# Allegro board 8880F5-0823_9.brd (continued)
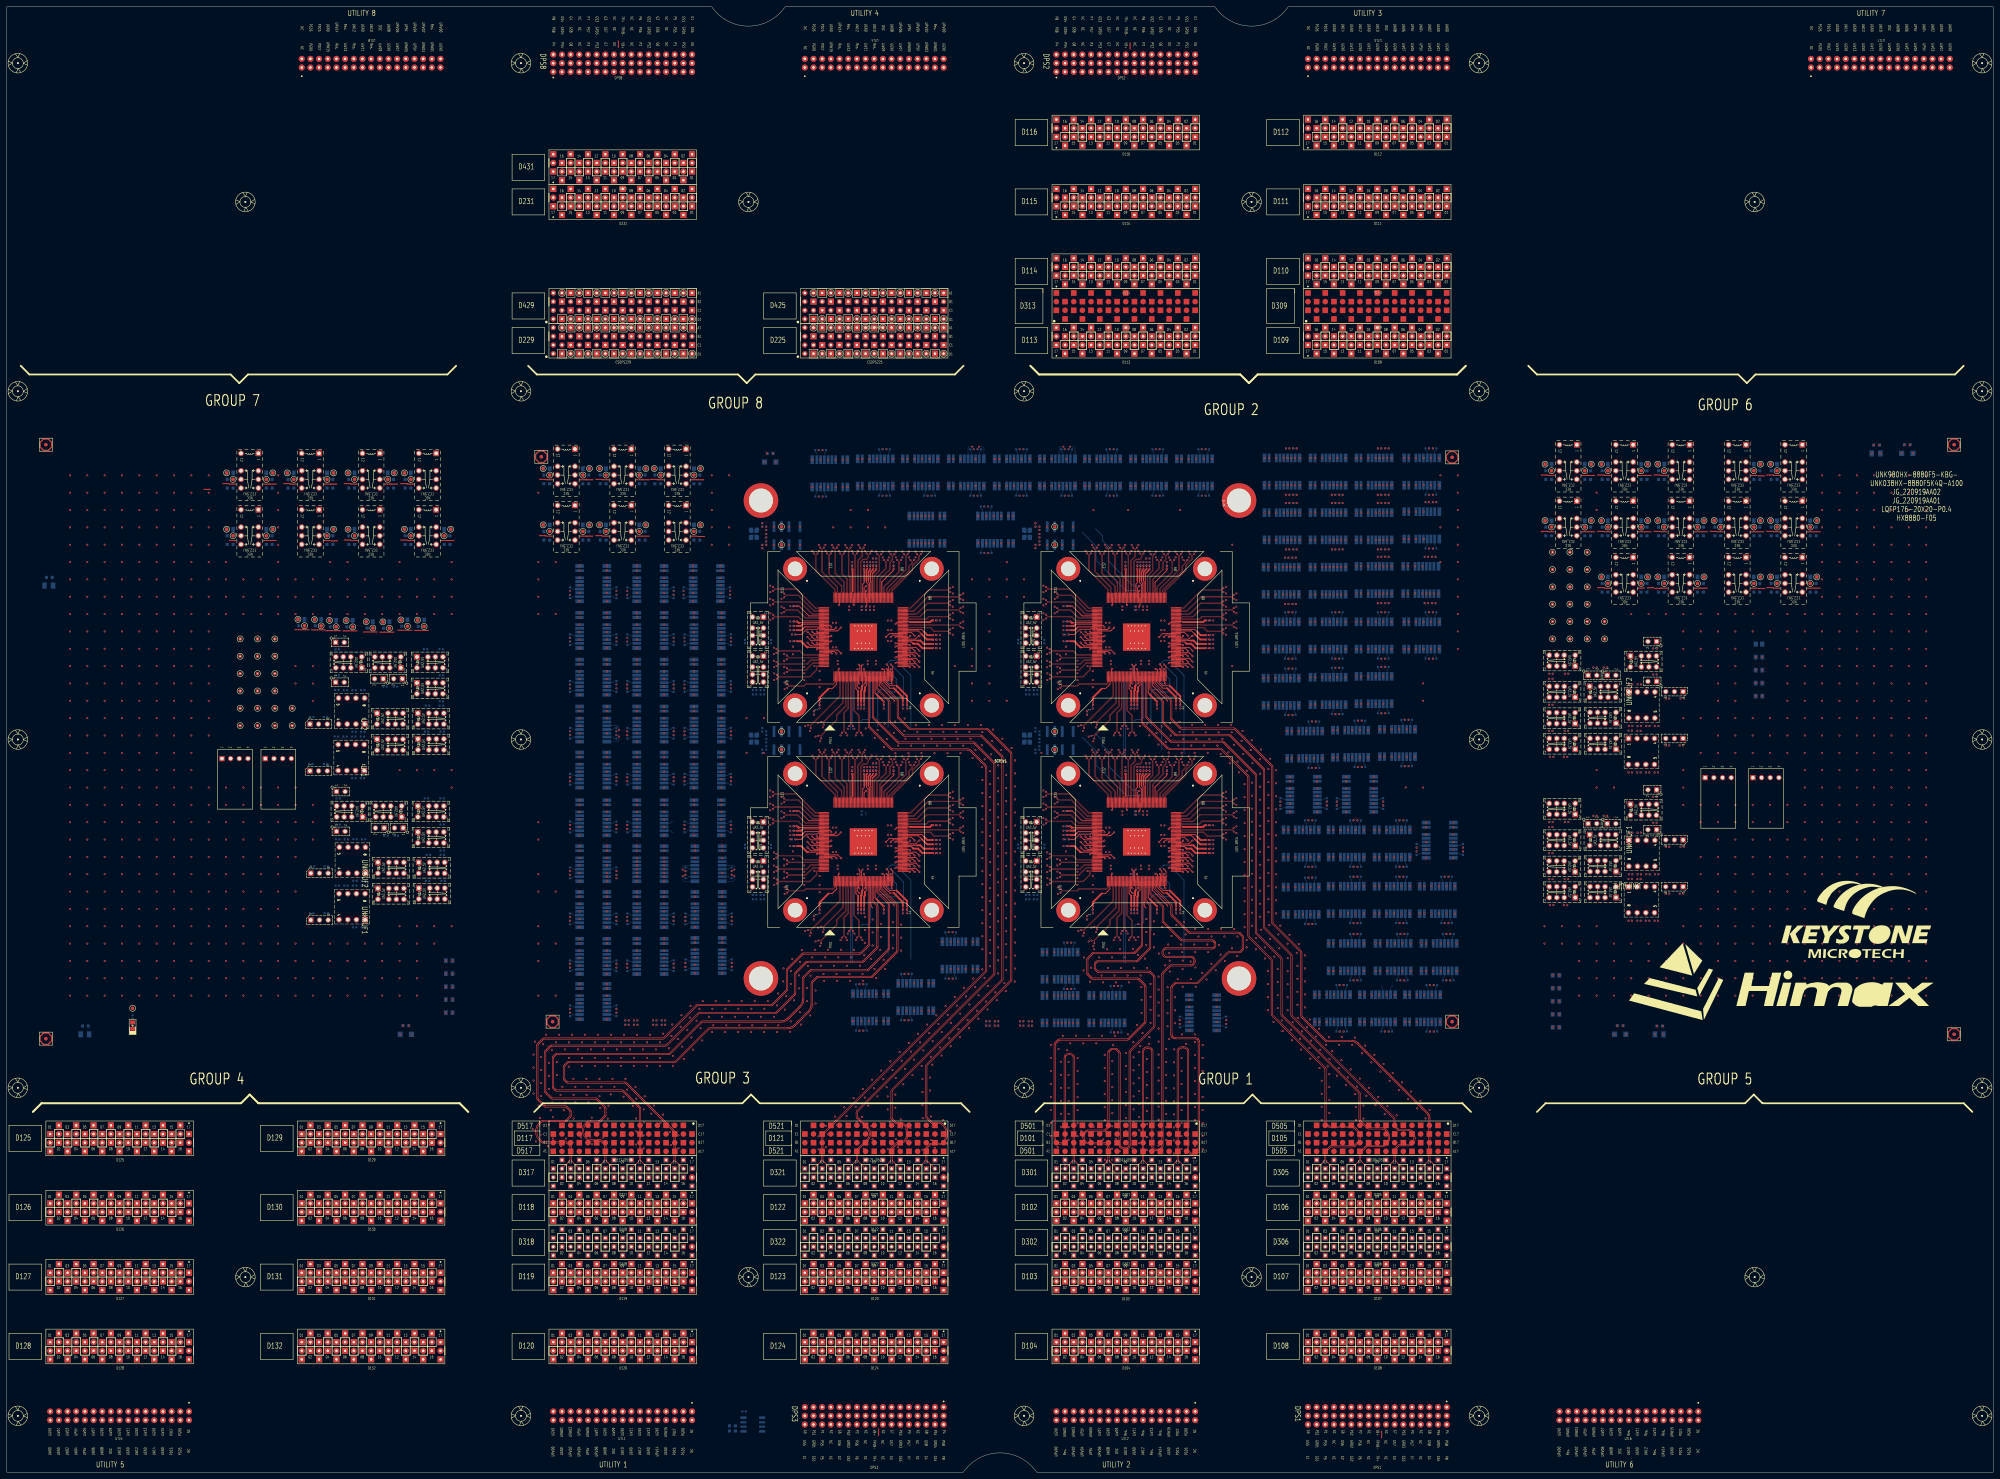
[diagram p0: board, top side]
## Routing (per net, layer and track width the routed paths; a pad name or vN(x,y) marks a point on that pad's centre or on a via; arc(x,y) is an arc through that point) (continued)
  L28_SIGNAL w0.071: v2(195.26,243.31) 195.26,243.71 195.19,243.78 193.55,243.78 183.87,253.46 182.48,253.46 181.79,252.77 181.79,251.47 183.79,249.47 184.74,249.47 185.86,248.35 185.86,245.73 189.4,242.19 215.45,242.19 216.08,241.55 221.93,241.55 224.39,239.09 226.31,239.09 226.88,238.52 226.88,237.61 227.35,237.15 229.15,237.15 230.51,235.79 230.51,231.07 229.7,230.26 228.98,230.26 v1(228.51,229.79)
D12510: length 413.5
  TOP w0.086: SITE1.174 237.68,236.83 237.6,236.91 236.1,236.91 234.04,234.85 228.85,234.85 v1(228.4,234.39)
  L03_SIGNAL w0.071: v2(181.67,243.31) 182.15,243.78 182.42,243.78 182.74,244.1 182.74,246.33 180.03,249.04 79.89,249.04 29.32,198.48 29.32,120.28 36.74,112.86 36.74,100.24 D125.10
  L28_SIGNAL w0.071: v2(181.67,243.31) 182.15,243.78 182.69,243.78 183.18,244.28 183.18,247.83 178.03,252.98 175.03,252.98 174.55,252.5 174.55,249.95 175.17,249.32 178.27,249.32 180.47,247.12 180.47,242.79 179.9,242.22 175.71,242.22 175.12,242.8 175.12,244.7 174.56,245.25 173.86,245.25 173.36,244.75 173.36,242.02 172.77,241.43 172.08,241.43 171.56,241.95 171.56,245.97 171,246.52 170.14,246.52 169.55,245.93 169.55,241.04 170.47,240.13 222.01,240.13 223.86,238.27 225.38,238.27 225.95,237.7 225.95,235.84 226.93,234.87 227.93,234.87 v1(228.4,234.39)
D12511: length 413.5
  TOP w0.086: SITE1.1 242.23,231.48 242.31,231.4 242.31,231.28 242.03,231 233.93,231 233.42,230.49 228.95,230.49 v1(228.51,230.93)
  L03_SIGNAL w0.071: v2(195.26,244.46) 194.79,243.98 193.77,243.98 192.69,245.06 189.98,245.06 188.91,243.98 185.41,243.98 178.9,237.48 83.79,237.48 45.13,198.81 45.13,128.93 59.07,114.99 59.07,95.39 52.9,89.22 37.16,89.22 35.41,90.96 35.41,94.72 35.79,95.09 36.67,95.09 D125.11
  L28_SIGNAL w0.071: v2(195.26,244.46) 195.26,244.05 195.19,243.98 193.63,243.98 183.96,253.66 182.4,253.66 181.6,252.86 181.6,251.39 183.71,249.27 184.66,249.27 185.66,248.27 185.66,245.65 189.32,241.99 215.36,241.99 216,241.36 221.85,241.36 224.31,238.89 226.22,238.89 226.68,238.43 226.68,237.53 227.26,236.95 229.07,236.95 230.31,235.71 230.31,231.16 229.62,230.46 228.98,230.46 v1(228.51,230.93)
D12512: length 413.5
  TOP w0.086: v1(228.4,235.54) 228.85,235.08 233.94,235.08 236,237.15 237.6,237.15 237.68,237.23 SITE1.173
  L03_SIGNAL w0.071: D125.12 39.51,100.19 37.4,100.19 36.94,100.65 36.94,112.94 29.52,120.36 29.52,198.39 79.97,248.84 179.95,248.84 182.54,246.25 182.54,244.18 182.34,243.98 182.15,243.98 v2(181.67,244.46)
  L28_SIGNAL w0.071: v2(181.67,244.46) 182.15,243.98 182.61,243.98 182.98,244.36 182.98,247.75 177.95,252.78 175.12,252.78 174.75,252.42 174.75,250.03 175.26,249.52 178.35,249.52 180.67,247.2 180.67,242.71 179.98,242.02 175.63,242.02 174.92,242.72 174.92,244.61 174.48,245.06 173.94,245.06 173.56,244.67 173.56,241.93 172.85,241.23 171.99,241.23 171.36,241.86 171.36,245.88 170.92,246.32 170.22,246.32 169.75,245.85 169.75,241.13 170.55,240.32 222.09,240.32 223.95,238.47 225.46,238.47 226.14,237.79 226.14,235.93 227.01,235.06 227.93,235.06 v1(228.4,235.54)
D12513: length 413.5
  TOP w0.086: SITE1.172 237.68,237.63 237.6,237.71 235.46,237.71 234.38,236.63 225.85,236.63 v1(225.39,236.18)
  L03_SIGNAL w0.071: D125.13 44.61,95.09 44.61,92.75 47.01,90.35 51.92,90.35 56.06,94.5 56.06,112.18 39.76,128.48 39.76,198.4 82.4,241.03 166.18,241.03 168.94,243.78 171.11,243.78 171.9,244.58 176.12,244.58 176.91,243.78 178.03,243.78 v2(178.5,243.31)
  L28_SIGNAL w0.071: v2(178.5,243.31) 178.97,243.78 179.34,243.78 179.86,244.31 179.86,245.46 178.03,247.29 166.73,247.29 164.66,249.36 154.47,249.36 153.74,248.63 153.74,246.18 154.64,245.28 167.42,245.28 168.64,244.06 168.64,240.48 170.26,238.86 212.66,238.86 213.7,237.82 222.67,237.82 223.85,236.65 224.92,236.65 v1(225.39,236.18)
D12514: length 413.5
  TOP w0.086: SITE1.176 237.68,236.03 237.6,236.11 237.48,236.11 237.25,235.88 237.25,234.98 235.19,232.92 225.91,232.92 v1(225.46,232.46)
  L03_SIGNAL w0.071: D125.14 47.63,100.97 47.63,111.82 34.51,124.94 34.51,198.84 82.1,246.44 164.96,246.44 166.22,245.17 166.22,244.13 165.88,243.78 165.38,243.78 v2(164.91,243.31)
  L28_SIGNAL w0.071: v2(164.91,243.31) 165.38,243.78 165.72,243.78 166.34,243.16 166.34,242.1 165.85,241.61 134.1,241.61 132.88,240.39 132.88,237.26 134.33,235.81 211.14,235.81 212.23,236.89 222.31,236.89 222.79,236.41 222.79,234.45 224.31,232.94 224.98,232.94 v1(225.46,232.46)
D12515: length 413.5
  TOP w0.086: SITE1.171 237.68,238.03 237.6,237.95 235.37,237.95 234.29,236.87 225.85,236.87 v1(225.39,237.32)
  L03_SIGNAL w0.071: v2(178.5,244.46) 178.03,243.98 176.99,243.98 176.2,244.77 171.82,244.77 171.03,243.98 168.86,243.98 166.1,241.22 82.31,241.22 39.57,198.48 39.57,128.39 55.86,112.1 55.86,94.58 51.84,90.55 47.09,90.55 44.81,92.83 44.81,94.43 45.43,95.05 46.79,95.05 D125.15
  L28_SIGNAL w0.071: v2(178.5,244.46) 178.97,243.98 179.25,243.98 179.66,244.39 179.66,245.38 177.95,247.09 166.64,247.09 164.57,249.16 154.55,249.16 153.93,248.55 153.93,246.27 154.72,245.48 167.51,245.48 168.84,244.14 168.84,240.56 170.34,239.06 212.74,239.06 213.78,238.02 222.76,238.02 223.93,236.85 224.92,236.85 v1(225.39,237.32)
D12516: length 413.5
  TOP w0.086: v1(225.46,233.61) 225.91,233.16 235.09,233.16 237.01,235.08 237.01,235.98 237.38,236.35 237.6,236.35 237.68,236.43 SITE1.175
  L03_SIGNAL w0.071: v2(164.91,244.46) 165.38,243.98 165.8,243.98 166.02,244.21 166.02,245.09 164.87,246.24 82.18,246.24 34.71,198.76 34.71,125.02 47.83,111.9 47.83,101.07 48.78,100.11 49.75,100.11 D125.16
  L28_SIGNAL w0.071: v2(164.91,244.46) 165.38,243.98 165.8,243.98 166.54,243.24 166.54,242.02 165.94,241.42 134.18,241.42 133.07,240.31 133.07,237.34 134.41,236 211.06,236 212.15,237.09 222.4,237.09 222.99,236.49 222.99,234.53 224.39,233.14 224.98,233.14 v1(225.46,233.61)
D12609: length 457
  TOP w0.086: v1(250.13,216.61) 249.68,217.05 249.68,221.65 248.15,223.18 248.15,231.4 248.23,231.48 SITE1.16
  L03_SIGNAL w0.071: D126.09 34.96,74.26 34.96,70.54 36.99,68.51 58.22,68.51 72.03,82.33 72.03,190.22 87.2,205.39 87.2,219.77 87.91,220.47 129.39,220.47 130.95,222.03 176,222.03 180.1,226.13 180.1,229.52 180.65,230.07 181.2,230.07 v1(181.67,229.6)
  L28_SIGNAL w0.071: v1(250.13,216.61) 249.66,217.08 249.66,218.32 248.27,219.71 243.1,219.71 240.73,217.34 236.09,217.34 235.33,216.58 214.08,216.58 212.34,214.84 175.19,214.84 173.23,216.8 173.23,222.78 175.87,225.41 198.14,225.41 199.44,226.71 199.44,232.16 198.27,233.32 181.31,233.32 180.05,232.05 180.05,230.63 180.6,230.07 181.2,230.07 v1(181.67,229.6)
D12610: length 457
  TOP w0.086: SITE1.14 247.43,231.48 247.35,231.4 247.35,218.99 v1(247.8,218.55)
  L03_SIGNAL w0.071: v1(195.26,229.6) 195.73,230.07 196.45,230.07 196.82,230.44 196.82,232.1 194.9,234.02 85.65,234.02 49.74,198.11 49.74,128.87 61.25,117.36 61.25,94.47 54.12,87.35 39.26,87.35 37.28,85.37 37.28,80.46 D126.10
  L28_SIGNAL w0.071: v1(195.26,229.6) 195.73,230.07 196.1,230.07 196.73,229.44 196.73,228.04 195.17,226.48 166.95,226.48 165.41,224.94 165.41,214.73 167.32,212.82 212.57,212.82 214.68,214.93 235.45,214.93 236.83,216.3 242.46,216.3 243.55,217.39 245.62,217.39 246.01,217.01 246.85,217.01 247.33,217.48 247.33,218.07 v1(247.8,218.55)
D12611: length 457
  TOP w0.086: SITE1.15 247.83,231.48 247.91,231.4 247.91,223.08 249.45,221.55 249.45,217.06 v1(248.99,216.61)
  L03_SIGNAL w0.071: v1(181.67,230.74) 181.2,230.27 180.57,230.27 179.9,229.6 179.9,226.21 175.92,222.23 130.87,222.23 129.31,220.67 87.82,220.67 87.01,219.85 87.01,205.47 71.84,190.3 71.84,82.41 58.13,68.71 37.07,68.71 35.16,70.62 35.16,74.75 35.38,74.97 36.87,74.97 D126.11
  L28_SIGNAL w0.071: v1(181.67,230.74) 181.2,230.27 180.69,230.27 180.25,230.71 180.25,231.97 181.4,233.12 198.19,233.12 199.24,232.07 199.24,226.8 198.05,225.61 175.79,225.61 173.04,222.86 173.04,216.72 175.11,214.65 212.43,214.65 214.16,216.38 235.42,216.38 236.17,217.14 240.81,217.14 243.18,219.51 248.19,219.51 249.46,218.24 249.46,217.08 v1(248.99,216.61)
D12612: length 457
  TOP w0.086: v1(246.65,218.55) 247.11,219 247.11,231.4 247.03,231.48 SITE1.13
  L03_SIGNAL w0.071: D126.12 39.6,79.78 38.35,79.78 37.48,80.65 37.48,85.29 39.34,87.15 54.21,87.15 61.45,94.39 61.45,117.44 49.94,128.95 49.94,198.03 85.73,233.83 194.82,233.83 196.62,232.02 196.62,230.52 196.37,230.27 195.73,230.27 v1(195.26,230.74)
  L28_SIGNAL w0.071: v1(195.26,230.74) 195.73,230.27 196.18,230.27 196.93,229.52 196.93,227.95 195.25,226.28 167.03,226.28 165.61,224.86 165.61,214.81 167.41,213.02 212.49,213.02 214.6,215.13 235.37,215.13 236.74,216.5 242.38,216.5 243.47,217.59 245.71,217.59 246.09,217.2 246.77,217.2 247.13,217.56 247.13,218.07 v1(246.65,218.55)
D12613: length 457
  TOP w0.086: SITE1.10 245.83,231.48 245.75,231.4 245.75,224.32 243.1,221.66 243.1,220.24 238.42,215.56 v1(238.42,214.92)
  L03_SIGNAL w0.071: D126.13 45.23,74.15 45.23,71.86 47.21,69.88 52.15,69.88 66.84,84.58 66.84,190.42 85.18,208.76 85.18,221.34 87.45,223.61 105.31,223.61 108.02,226.32 165.38,226.32 169.14,230.07 173.48,230.07 174.33,230.92 176.17,230.92 177.02,230.07 178.03,230.07 v2(178.5,229.6)
  L28_SIGNAL w0.071: v2(178.5,229.6) 178.97,230.07 179.34,230.07 179.72,229.69 179.72,229.07 179.3,228.65 141.59,228.65 138.15,225.21 138.15,214.82 142.65,210.31 157.67,210.31 159.06,211.71 214.09,211.71 215.64,213.25 236.09,213.25 237.75,214.92 v1(238.42,214.92)
D12614: length 457
  TOP w0.086: SITE1.12 246.63,231.48 246.55,231.4 246.55,223.72 245.23,222.4 245.23,217.05 v1(245.68,216.6)
  L03_SIGNAL w0.071: D126.14 46.76,79.78 46.76,82.89 48.34,84.47 54.19,84.47 64.18,94.46 64.18,119.21 54.81,128.57 54.81,189.94 73.92,209.06 73.92,216.01 87.29,229.38 128.63,229.38 131.47,232.22 165.93,232.22 166.4,231.75 166.4,230.42 166.05,230.07 165.38,230.07 v2(164.91,229.6)
  L28_SIGNAL w0.071: v1(245.68,216.6) 245.21,216.12 245.21,214.8 242.86,212.46 217.06,212.46 214.63,210.03 159.56,210.03 158.83,209.3 136.36,209.3 131.77,213.89 131.77,230.11 135.49,233.83 165.81,233.83 166.65,233 166.65,230.86 165.85,230.07 165.38,230.07 v2(164.91,229.6)
D12615: length 457
  TOP w0.086: v1(237.61,215.73) 238.25,215.73 242.86,220.34 242.86,221.76 245.51,224.41 245.51,231.4 245.43,231.48 SITE1.9
  L03_SIGNAL w0.071: D126.15 47.2,75.14 46.56,75.14 45.43,74.01 45.43,71.94 47.29,70.08 52.06,70.08 66.65,84.66 66.65,190.5 84.98,208.84 84.98,221.42 87.37,223.81 105.23,223.81 107.94,226.51 165.3,226.51 169.05,230.27 173.4,230.27 174.25,231.12 176.25,231.12 177.1,230.27 178.03,230.27 v2(178.5,230.74)
  L28_SIGNAL w0.071: v2(178.5,230.74) 178.97,230.27 179.42,230.27 179.92,229.77 179.92,228.99 179.38,228.45 141.67,228.45 138.35,225.13 138.35,214.9 142.73,210.51 157.58,210.51 158.98,211.9 214.01,211.9 215.56,213.45 236,213.45 237.61,215.06 v1(237.61,215.73)
D12616: length 457
  TOP w0.086: SITE1.11 246.23,231.48 246.31,231.4 246.31,223.82 244.99,222.5 244.99,217.05 v1(244.54,216.6)
  L03_SIGNAL w0.071: D126.16 49.71,79.83 47.2,79.83 46.95,80.08 46.95,82.8 48.42,84.27 54.27,84.27 64.37,94.37 64.37,119.29 55.01,128.66 55.01,189.86 74.12,208.98 74.12,215.93 87.37,229.18 128.71,229.18 131.55,232.02 165.85,232.02 166.2,231.67 166.2,230.5 165.97,230.27 165.38,230.27 v2(164.91,230.74)
  L28_SIGNAL w0.071: v2(164.91,230.74) 165.38,230.27 165.77,230.27 166.45,230.94 166.45,232.91 165.73,233.63 135.57,233.63 131.97,230.03 131.97,213.97 136.44,209.5 158.74,209.5 159.48,210.23 214.55,210.23 216.97,212.65 242.78,212.65 245.01,214.89 245.01,216.12 v1(244.54,216.6)
D12701: length 686.8
  TOP w0.086: SITE1.102 254.23,257.78 254.15,257.86 254.15,262.58 255.64,264.07 255.64,268.51 v1(256.07,268.93)
  L05_SIGNAL w0.071: v2(322.98,286.07) 323.45,286.54 323.45,287.71 320.36,290.79 298.59,290.79 293.69,295.7 293.69,300.61 282.35,311.96 155.76,311.96 151.76,307.95 58.54,307.95 25.19,274.61 25.19,113.85 11.77,100.43 11.77,51.15 12.51,50.42 15.18,50.42 16.11,51.35 16.11,54.5 15.83,54.78 13.8,54.78 D127.01
  L32_SIGNAL w0.071: v1(256.07,268.93) 255.6,269.4 255.6,282.31 261.38,288.1 261.38,290.34 264.12,293.08 278.23,293.08 280.61,290.7 280.61,285.97 282.84,283.74 286.69,283.74 298.12,295.17 316.04,295.17 323.45,287.75 323.45,286.54 v2(322.98,286.07)
D12702: length 665.5
  TOP w0.086: v1(267.64,268.93) 267.21,268.5 267.21,267.41 265.32,265.52 265.32,264.13 259.35,258.16 259.35,257.86 259.43,257.78 SITE1.89
  L05_SIGNAL w0.071: D127.02 16.44,59.62 17.51,59.62 17.77,59.89 17.77,66.96 21.36,70.55 53.22,70.55 54.72,72.05 54.72,99.85 27.08,127.48 27.08,273.23 61.14,307.29 284.04,307.29 291.83,299.5 291.83,295.64 304.72,282.75 308.91,282.75 310.24,284.09 310.24,285.6 v2(309.77,286.07)
  L32_SIGNAL w0.071: v1(267.64,268.93) 267.17,269.4 267.17,270.52 266.35,271.35 264.31,271.35 263.48,272.17 263.48,280.06 264.6,281.18 274.37,281.18 282.78,272.77 298.99,272.77 299.78,273.57 299.78,278.4 308.76,287.38 309.88,287.38 310.24,287.02 310.24,286.54 v2(309.77,286.07)
D12703: length 686.8
  TOP w0.086: SITE1.103 253.83,257.78 253.91,257.86 253.91,262.68 255.4,264.17 255.4,268.46 v1(254.93,268.93)
  L05_SIGNAL w0.071: v2(324.12,286.07) 323.65,286.54 323.65,287.79 320.45,290.99 298.68,290.99 293.89,295.78 293.89,300.7 282.43,312.15 155.67,312.15 151.67,308.15 58.46,308.15 24.99,274.69 24.99,113.93 11.58,100.51 11.58,51.07 12.42,50.22 15.26,50.22 16.31,51.27 16.31,54.41 D127.03
  L32_SIGNAL w0.071: v2(324.12,286.07) 323.65,286.54 323.65,287.84 316.12,295.37 298.04,295.37 286.61,283.93 282.93,283.93 280.81,286.05 280.81,290.78 278.31,293.28 264.04,293.28 261.19,290.43 261.19,288.19 255.4,282.4 255.4,269.4 v1(254.93,268.93)
D12704: length 665.5
  TOP w0.086: SITE1.90 259.03,257.78 259.11,257.86 259.11,258.26 265.08,264.23 265.08,265.62 266.97,267.51 266.97,268.46 v1(266.5,268.93)
  L05_SIGNAL w0.071: v2(310.92,286.07) 310.44,285.6 310.44,284.01 308.99,282.55 304.8,282.55 304.64,282.55 291.63,295.56 291.63,299.42 283.96,307.1 61.23,307.1 27.28,273.15 27.28,127.57 54.91,99.93 54.91,71.97 53.3,70.35 21.44,70.35 17.97,66.88 17.97,60.77 D127.04
  L32_SIGNAL w0.071: v1(266.5,268.93) 266.97,269.4 266.97,270.44 266.27,271.15 264.22,271.15 263.28,272.09 263.28,280.15 264.51,281.38 274.46,281.38 282.86,272.97 298.9,272.97 299.58,273.65 299.58,278.48 308.68,287.58 309.96,287.58 310.44,287.1 310.44,286.54 v2(310.92,286.07)
D12705: length 728.7
  TOP w0.086: v1(259.93,268.93) 259.46,268.47 259.46,267.3 258.7,266.53 258.7,264.43 255.75,261.48 255.75,257.86 255.83,257.78 SITE1.98
  L05_SIGNAL w0.071: D127.05 24.03,54.71 25.5,54.71 26.63,53.58 26.63,51.8 23.49,48.67 12.08,48.67 10.63,50.13 10.63,101.56 22.41,113.34 22.41,277.38 54.13,309.1 151.28,309.1 155.28,313.1 283.67,313.1 295.52,301.24 295.52,296.49 298.98,293.03 331.69,293.03 336.91,287.8 336.91,286.54 v2(336.44,286.07)
  L32_SIGNAL w0.071: v2(336.44,286.07) 336.91,286.54 336.91,287.65 336.32,288.25 335.5,288.25 334.35,287.1 334.35,283.77 333.3,282.72 322.26,282.72 318,286.98 318,289.26 314.75,292.51 299.25,292.51 296.18,289.44 296.18,286.57 290.75,281.14 281.45,281.14 275.55,287.04 264.78,287.04 259.45,281.71 259.45,269.4 v1(259.93,268.93)
D12706: length 833.7
  TOP w0.086: v1(279.29,255.88) 278.81,256.36 269.82,256.36 265.58,252.11 264.06,252.11 263.98,252.03 SITE1.85
  L05_SIGNAL w0.071: D127.06 27.35,60.37 27.35,66.72 29.68,69.05 53.84,69.05 56.48,71.69 56.48,100.9 30.81,126.57 30.81,272.67 63.93,305.79 69.07,305.79 283.39,305.79 288.2,300.98 288.2,285.67 290.42,283.46 295.95,283.46 297.04,284.55 297.04,285.6 v2(296.56,286.07)
  L30_SIGNAL w0.071: v1(279.29,255.88) 279.76,256.35 286.58,256.35 288.45,258.22 298.24,258.22 303.82,263.81 303.82,287.06 304.98,288.22 304.98,304.32 302.33,306.97 302.33,360.22 299.39,363.17 287.55,363.17 284.51,360.13 284.51,330.12 285.04,329.59 286.25,329.59 286.79,330.14 286.79,345.61 287.75,346.57 289.18,346.57 290.13,345.62 290.13,314.51 298.79,305.84 298.79,289.54 297.03,287.78 297.03,286.54 v2(296.56,286.07)
D12707: length 728.7
  TOP w0.086: v1(258.78,268.93) 259.23,268.49 259.23,267.39 258.46,266.63 258.46,264.53 255.51,261.58 255.51,257.86 255.43,257.78 SITE1.99
  L05_SIGNAL w0.071: v2(337.59,286.07) 337.11,286.54 337.11,287.88 331.77,293.23 299.06,293.23 295.72,296.57 295.72,301.33 283.75,313.3 155.2,313.3 151.2,309.3 54.05,309.3 22.21,277.46 22.21,113.42 10.43,101.64 10.43,50.04 12,48.47 23.58,48.47 26.82,51.72 26.82,54.76 D127.07
  L32_SIGNAL w0.071: v1(258.78,268.93) 259.26,269.4 259.26,281.8 264.69,287.23 275.63,287.23 281.53,281.34 290.66,281.34 295.98,286.65 295.98,289.52 299.17,292.71 314.83,292.71 318.2,289.35 318.2,287.07 322.34,282.92 333.22,282.92 334.15,283.85 334.15,287.19 335.41,288.45 336.4,288.45 337.11,287.74 337.11,286.54 v2(337.59,286.07)
D12708: length 833.7
  TOP w0.086: v1(279.29,257.02) 278.87,256.6 269.73,256.6 265.48,252.35 264.06,252.35 263.98,252.43 SITE1.86
  L05_SIGNAL w0.071: v2(297.71,286.07) 297.23,285.6 297.23,284.46 296.03,283.26 290.34,283.26 288,285.59 288,300.9 283.31,305.59 64.01,305.59 31.01,272.59 31.01,126.65 56.68,100.98 56.68,71.61 53.92,68.85 29.76,68.85 27.55,66.64 27.55,60.34 28.19,59.7 29.2,59.7 D127.08
  L30_SIGNAL w0.071: v2(297.71,286.07) 297.23,286.54 297.23,287.7 298.99,289.46 298.99,305.92 290.32,314.59 290.32,345.7 289.26,346.76 287.67,346.76 286.6,345.69 286.6,330.22 286.17,329.79 285.12,329.79 284.71,330.2 284.71,360.05 287.63,362.97 299.3,362.97 302.14,360.14 302.14,306.88 304.78,304.24 304.78,288.3 303.63,287.14 303.63,263.89 298.15,258.42 288.37,258.42 286.5,256.55 279.76,256.55 v1(279.29,257.02)
D12709: length 833.7
  TOP w0.086: SITE1.83 263.98,251.23 264.06,251.31 266.53,251.31 269.61,254.39 275.8,254.39 v1(276.24,253.95)
  L07_SIGNAL w0.071: D127.09 34.93,53.97 35.06,53.97 35.78,53.29 35.78,50.79 33.64,48.66 11.14,48.66 9.32,50.48 9.32,101.99 20.58,113.25 20.58,280.48 50.51,310.41 150.74,310.41 154.74,314.41 285.2,314.41 297.04,302.57 297.04,300.13 v2(296.56,299.66)
  L30_SIGNAL w0.071: v1(276.24,253.95) 276.72,254.42 297.41,254.42 305.94,262.95 305.94,286.45 307.13,287.65 307.13,304.45 303.54,308.04 303.54,361.82 300.07,365.29 287.18,365.29 282.59,360.7 282.59,315.98 283.05,315.52 283.96,315.52 284.53,316.09 284.53,327.18 284.87,327.51 285.49,327.51 285.8,327.21 285.8,312.77 297.04,301.53 297.04,300.13 v2(296.56,299.66)
D12710: length 833.7
  TOP w0.086: SITE1.120 247.03,257.78 246.95,257.86 246.95,262.28 246.61,262.62 246.61,270.41 v1(247.07,270.87)
  L07_SIGNAL w0.071: D127.10 38,60.86 38,65.04 40.04,67.08 54.66,67.08 57.96,70.38 57.96,102.46 32.39,128.04 32.39,269.03 67.5,304.14 282.84,304.14 286.91,300.08 286.91,283.36 v2(287.38,282.89)
  L30_SIGNAL w0.071: v1(247.07,270.87) 246.6,271.34 246.6,275.14 253.78,282.32 253.78,289.37 258.71,294.31 258.71,303.46 243.22,318.95 201.73,318.95 197.01,323.68 197.01,348.41 200.21,351.62 274.86,351.62 278.22,348.26 278.22,292.4 280.31,290.31 280.31,283.31 282.47,281.15 286.26,281.15 286.91,281.8 286.91,282.42 v2(287.38,282.89)
D12711: length 833.7
  TOP w0.086: SITE1.84 263.98,251.63 264.06,251.55 266.43,251.55 269.51,254.63 275.78,254.63 v1(276.24,255.09)
  L07_SIGNAL w0.071: D127.11 35.97,53.75 35.97,50.71 33.72,48.46 11.06,48.46 9.12,50.4 9.12,102.07 20.38,113.33 20.38,280.56 50.43,310.61 150.66,310.61 154.66,314.61 285.28,314.61 297.24,302.65 297.24,300.13 v2(297.71,299.66)
  L30_SIGNAL w0.071: v2(297.71,299.66) 297.23,300.13 297.23,301.62 285.99,312.86 285.99,327.29 285.57,327.71 284.79,327.71 284.34,327.26 284.34,316.17 283.88,315.71 283.13,315.71 282.78,316.07 282.78,360.61 287.26,365.09 299.99,365.09 303.34,361.74 303.34,307.96 306.93,304.37 306.93,287.73 305.74,286.54 305.74,263.03 297.33,254.62 276.72,254.62 v1(276.24,255.09)
D12712: length 833.7
  TOP w0.086: v1(245.93,270.87) 246.38,270.42 246.38,262.52 246.71,262.19 246.71,257.86 246.63,257.78 SITE1.121
  L07_SIGNAL w0.071: v2(286.24,282.89) 286.71,283.36 286.71,299.99 282.76,303.94 67.58,303.94 32.58,268.95 32.58,128.12 58.16,102.55 58.16,70.3 54.74,66.88 40.13,66.88 38.2,64.96 38.2,59.74 38.41,59.54 39.52,59.54 D127.12
  L30_SIGNAL w0.071: v1(245.93,270.87) 246.4,271.34 246.4,275.23 253.58,282.41 253.58,289.46 258.52,294.39 258.52,303.38 243.14,318.75 201.65,318.75 196.81,323.6 196.81,348.5 200.13,351.82 274.95,351.82 278.42,348.34 278.42,292.48 280.5,290.39 280.5,283.39 282.55,281.35 286.18,281.35 286.71,281.88 286.71,282.42 v2(286.24,282.89)
D12713: length 833.7
  TOP w0.086: SITE1.87 263.98,252.83 264.06,252.91 264.57,252.91 269.88,258.23 275.83,258.23 v1(276.24,257.81)
  L07_SIGNAL w0.071: D127.13 44.4,54.66 46.1,54.66 46.45,54.31 46.45,51.16 43,47.71 10.7,47.71 8.37,50.04 8.37,102.98 17.58,112.19 17.58,282.86 56.18,321.46 298.39,321.46 310.24,309.61 310.24,300.13 v2(309.77,299.66)
  L30_SIGNAL w0.071: v1(276.24,257.81) 276.72,258.28 281.85,258.28 290.07,266.5 290.07,306.41 281.64,314.83 281.64,362.97 285.78,367.1 300.24,367.1 304.96,362.38 304.96,309.5 310.23,304.23 310.23,300.11 v2(309.77,299.66)
D12714: length 594
  TOP w0.086: SITE1.131 242.63,257.78 242.55,257.86 242.55,258.66 236.97,264.24 236.97,268.69 v1(237.43,269.15)
  L05_SIGNAL w0.071: D127.14 47.24,59.94 48.1,59.94 48.35,60.19 48.35,65.51 49.85,67.01 55,67.01 59.46,71.46 59.46,103.48 35.29,127.64 35.29,267.38 70.73,302.82 271.96,302.82 276.98,297.8 282.78,297.8 283.57,298.6 283.57,299.18 v2(283.1,299.66)
  L32_SIGNAL w0.071: v2(283.1,299.66) 283.57,300.13 283.57,303.34 282.4,304.51 241.86,304.51 236.95,299.6 236.95,269.62 v1(237.43,269.15)
D12715: length 833.7
  TOP w0.086: v1(276.24,258.95) 275.76,258.47 269.78,258.47 264.47,253.15 264.06,253.15 263.98,253.23 SITE1.88
  L07_SIGNAL w0.071: v2(310.92,299.66) 310.44,300.13 310.44,309.69 298.47,321.66 56.09,321.66 17.38,282.95 17.38,112.27 8.17,103.06 8.17,49.96 10.62,47.51 43.08,47.51 46.65,51.07 46.65,54.27 D127.15
  L30_SIGNAL w0.071: v2(310.92,299.66) 310.43,300.14 310.43,304.31 305.16,309.58 305.16,362.46 300.32,367.3 285.7,367.3 281.45,363.05 281.45,314.75 289.87,306.33 289.87,266.58 281.76,258.48 276.72,258.48 v1(276.24,258.95)
D12716: length 594
  TOP w0.086: SITE1.132 242.23,257.78 242.31,257.86 242.31,258.56 236.73,264.14 236.73,268.71 v1(236.28,269.15)
  L05_SIGNAL w0.071: D127.16 48.55,60.67 48.55,65.43 49.93,66.81 55.09,66.81 59.65,71.38 59.65,103.56 35.49,127.72 35.49,267.29 70.82,302.62 271.88,302.62 276.89,297.61 282.87,297.61 283.77,298.51 283.77,299.18 v2(284.25,299.66)
  L32_SIGNAL w0.071: v2(284.25,299.66) 283.77,300.13 283.77,303.42 282.48,304.71 241.78,304.71 236.75,299.69 236.75,269.62 v1(236.28,269.15)
D12801: length 743.7
  TOP w0.086: SITE1.100 255.03,257.78 254.95,257.86 254.95,262.07 257.55,264.67 257.55,266.76 v1(258,267.21)
  L05_SIGNAL w0.071: v2(322.98,299.66) 323.45,300.13 323.45,304.83 305.57,322.7 62.74,322.7 15.66,275.63 15.66,112.35 7.17,103.87 7.17,32.59 8.72,31.04 13.54,31.04 15.15,32.66 15.15,34.18 14.78,34.55 13.71,34.55 D128.01
  L32_SIGNAL w0.071: v2(322.98,299.66) 323.45,300.13 323.45,301.97 324.14,302.66 324.77,302.66 325.35,302.07 325.35,284.68 324.63,283.95 322.48,283.95 321.18,285.25 321.18,287.69 315.28,293.59 298.63,293.59 293.95,288.91 293.95,287.58 288.42,282.05 282.58,282.05 279.89,284.74 279.89,290.37 277.96,292.31 264.53,292.31 263.11,290.89 263.11,287.53 256.71,281.13 256.71,275.17 257.53,274.36 257.53,267.69 v1(258,267.21)
D12802: length 833.7
  TOP w0.086: v1(243.16,270.88) 242.73,270.45 242.73,263.37 245.35,260.75 245.35,257.86 245.43,257.78 SITE1.124
  L05_SIGNAL w0.071: v2(238.87,299.4) 238.4,299.87 238.4,300.61 237.68,301.33 74.49,301.33 37.42,264.25 37.42,127.77 60.8,104.39 60.8,57.48 49.97,46.64 19.52,46.64 17.52,44.64 17.52,40.38 D128.02
  L30_SIGNAL w0.071: v2(238.87,299.4) 238.4,298.94 238.4,298.52 237.64,297.76 236.42,297.76 234.93,299.25 234.93,305.28 227.49,312.71 156.82,312.71 154.01,309.91 117,309.91 113.25,306.16 113.25,279.1 113.51,278.84 126.51,278.84 134.07,271.29 203.64,271.29 208.65,276.3 208.65,282.97 217.09,291.41 223.4,291.41 228.11,286.7 228.11,275.81 228.79,275.14 240.2,275.14 242.69,272.65 242.69,271.35 v1(243.16,270.88)
D12803: length 743.7
  TOP w0.086: SITE1.101 254.63,257.78 254.71,257.86 254.71,262.17 257.31,264.77 257.31,266.76 v1(256.85,267.21)
  L05_SIGNAL w0.071: v2(324.12,299.66) 323.65,300.13 323.65,304.91 305.66,322.9 62.66,322.9 15.46,275.71 15.46,112.44 6.97,103.95 6.97,32.51 8.64,30.85 13.62,30.85 15.35,32.58 15.35,33.13 D128.03
  L32_SIGNAL w0.071: v1(256.85,267.21) 257.33,267.69 257.33,274.27 256.52,275.08 256.52,281.21 262.92,287.61 262.92,290.97 264.45,292.5 278.04,292.5 280.09,290.45 280.09,284.82 282.66,282.25 288.34,282.25 293.75,287.66 293.75,288.99 298.55,293.79 315.36,293.79 321.38,287.77 321.38,285.33 322.57,284.15 324.55,284.15 325.15,284.76 325.15,301.99 324.68,302.46 324.22,302.46 323.65,301.89 323.65,300.13 v2(324.12,299.66)
D12804: length 833.7
  TOP w0.086: v1(242.02,270.88) 242.49,270.41 242.49,263.28 245.11,260.65 245.11,257.86 245.03,257.78 SITE1.125
  L05_SIGNAL w0.071: D128.04 19.11,39.31 18.25,39.31 17.72,39.84 17.72,44.56 19.61,46.45 50.05,46.45 61,57.4 61,104.48 37.62,127.86 37.62,264.17 74.58,301.13 237.59,301.13 238.2,300.52 238.2,299.87 v2(237.72,299.4)
  L30_SIGNAL w0.071: v1(242.02,270.88) 242.49,271.35 242.49,272.56 240.12,274.94 228.7,274.94 227.91,275.73 227.91,286.61 223.32,291.21 217.17,291.21 208.85,282.89 208.85,276.22 203.72,271.09 133.98,271.09 126.43,278.64 113.43,278.64 113.06,279.01 113.06,306.24 116.92,310.1 153.93,310.1 156.74,312.91 227.58,312.91 235.13,305.36 235.13,299.33 236.5,297.96 237.56,297.96 238.21,298.6 238.21,298.92 v2(237.72,299.4)
